# Altium PCB Room_Hub 20221215.PcbDoc (part 2 of 3) (continued)
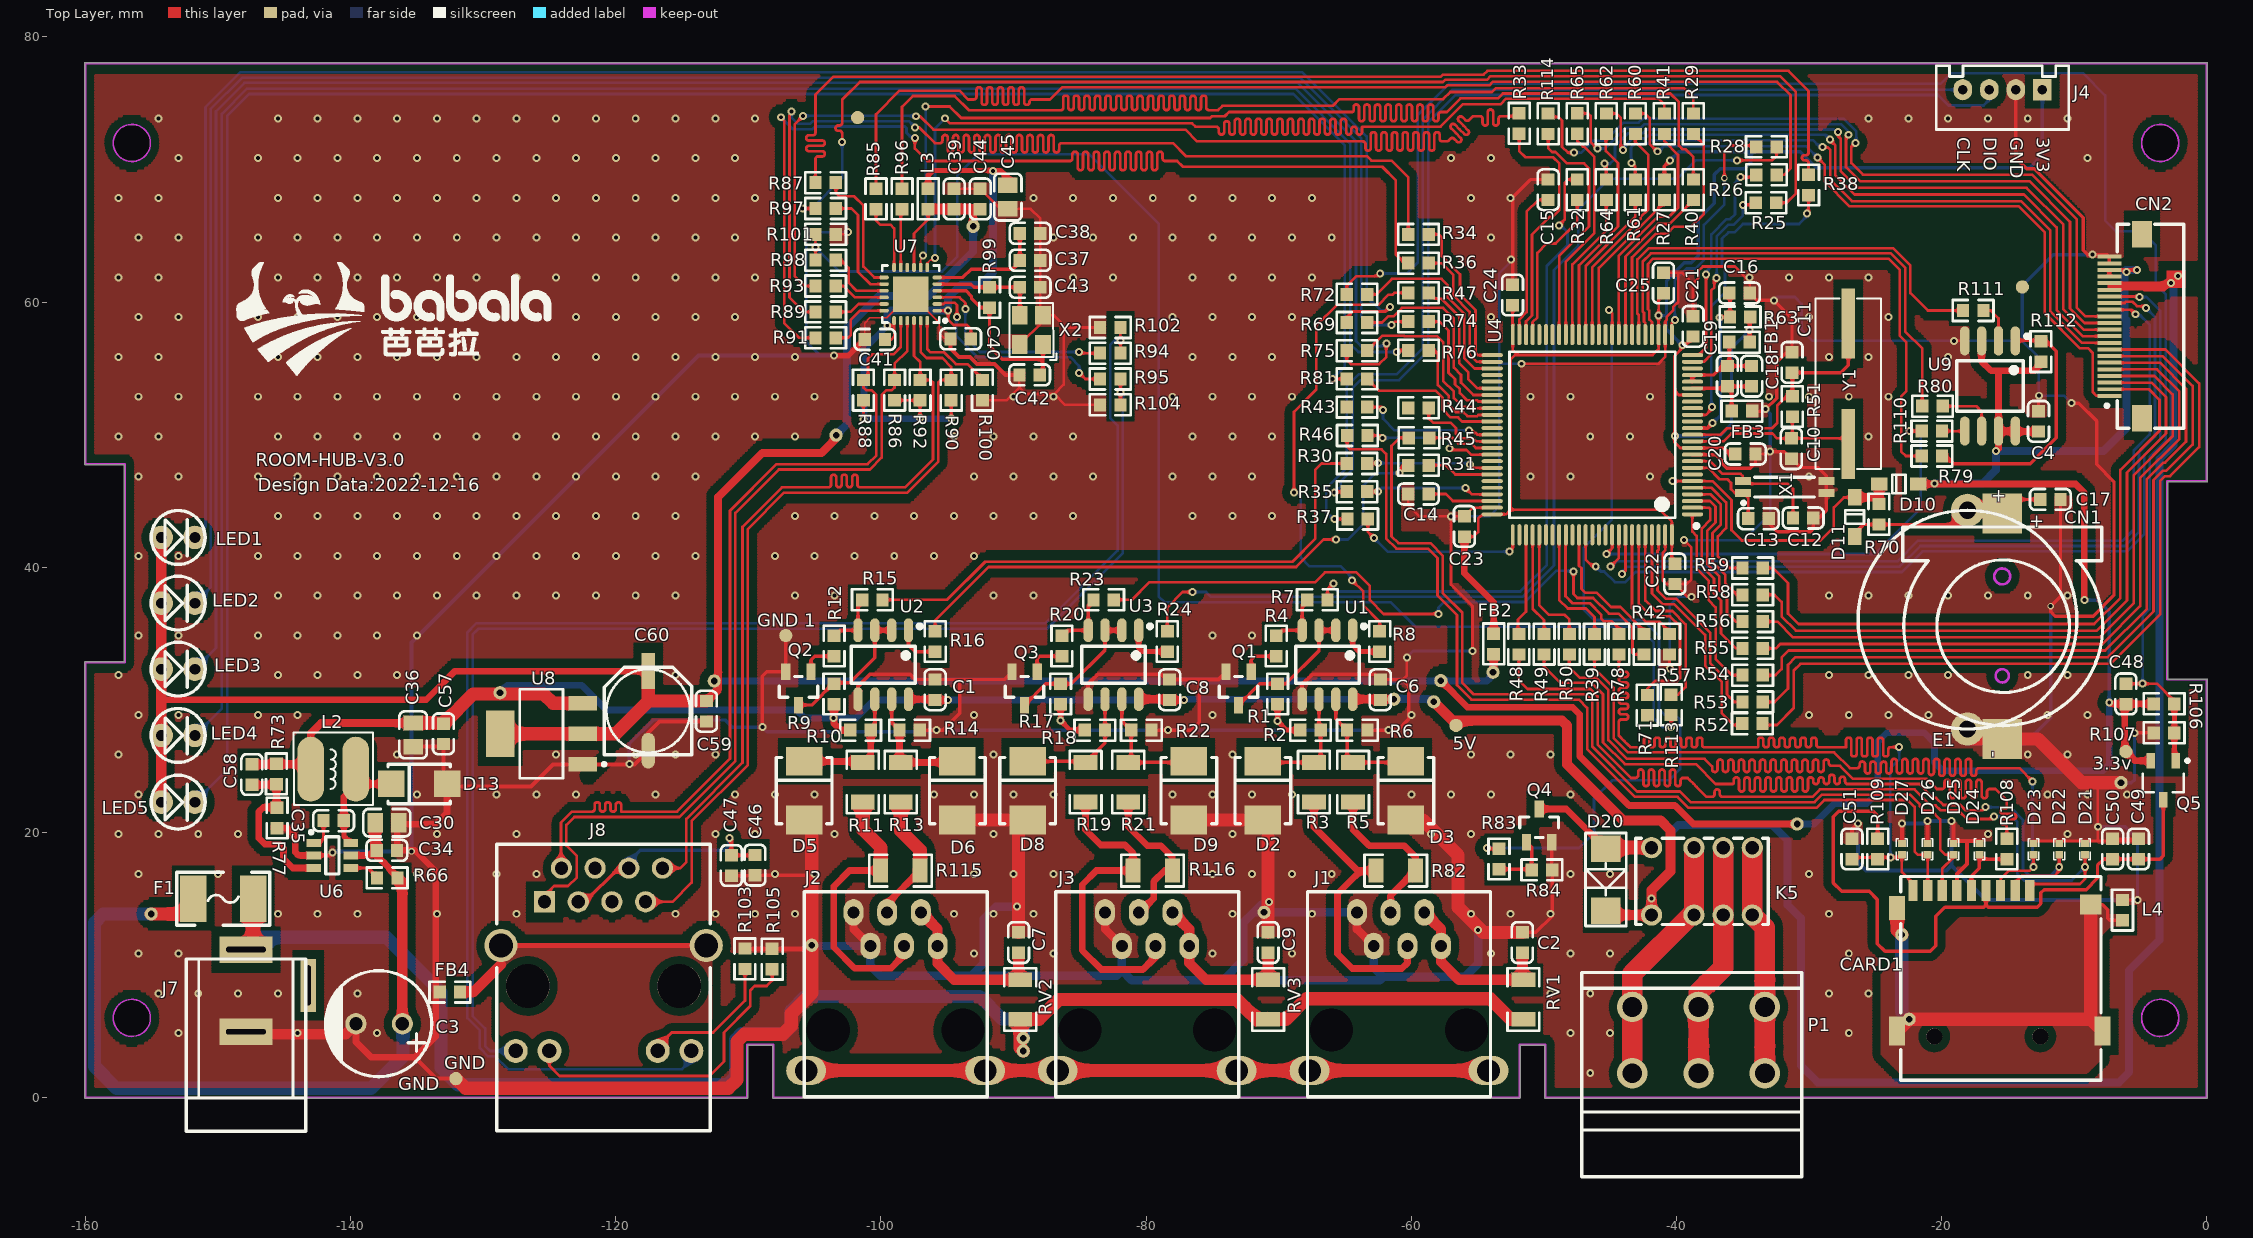
[diagram p0: Top Layer view]
## Nets (pads, with @x,y where several pads share a name; then routed paths per layer and width w, separated by ;. In a path a pad name is that pad's centre, name@x,y a point inside that pad or via, vN(x,y) a via of type N, cw(c..) or ccw(c..) an arc to the next point about the centre after c; other vN are vias at no path point) (continued)
HRXD1_485: R8.1 U1.1 | length 3.4
  Top Layer w0.381: U1.1@-64.41,35.242 -64.41,34.109 -63.925,33.624 R8.1@-62.378,33.624
HRXD3_485: R16.1 U2.1 | length 3.3
  Top Layer w0.254: U2.1@-97.914,35.242 -97.914,34.126 -97.413,33.624 R16.1@-95.908,33.624
HRXD4_485: R24.1 U3.1 | length 3.6
  Top Layer w0.381: U3.1@-80.549,35.242 -80.549,33.906 -80.268,33.624 R24.1@-78.39,33.624
HTXD1_485: R4.1 R7.1 U1.4 | length 4.6
  Top Layer w0.254: R4.1@-70.175,34.826 -69.76,35.242 U1.4@-68.22,35.242 -68.22,37.165 R7.1@-67.847,37.538
HTXD3_485: R12.1 R15.1 U2.4 | length 4.4
  Top Layer w0.254: R12.1@-103.528,34.826 -103.112,35.242 U2.4@-101.724,35.242 -101.724,37.23 R15.1@-101.41,37.544
HTXD4_485: R20.1 R23.1 U3.4 | length 4.6
  Top Layer w0.254: R20.1@-86.34,34.826 -85.924,35.242 U3.4@-84.359,35.242 -84.359,37.146 R23.1@-83.96,37.544
KEY_ENTER: CN2.15 U4.93 | length 64.2
  Top Layer w0.2: v1(-44.094,39.472) -43.836,39.73 U4.93@-43.836,42.443 ; CN2.15@-7.331,59.923 -6.178,59.923 -6.078,60.023 -5.58,60.023 -5.254,59.696 -4.705,59.696 v1(-4.572,59.563)
  Bottom Layer w0.2: v1(-44.094,39.472) -44.094,39.624 -43.682,40.037 -23.152,40.037 -21.59,41.599 -6.153,41.599 -5.093,42.659 -5.093,48.642 -3.889,49.846 -3.889,58.88 v1(-4.572,59.563)
KEY_LEFT: CN2.16 U4.87 | length 67.8
  Top Layer w0.2: U4.87@-46.836,42.443 -46.836,40.587 -46.304,40.056 v1(-46.076,40.056) ; CN2.16@-7.331,60.423 -5.102,60.423 v1(-5.055,60.376)
  Bottom Layer w0.2: v1(-46.076,40.056) -45.695,39.675 -45.441,39.675 -44.637,38.872 -43.846,38.872 -43.081,39.637 -22.986,39.637 -21.424,41.199 -5.987,41.199 -4.693,42.493 -4.693,48.476 -3.489,49.68 -3.489,59.329 -4.536,60.376 v1(-5.055,60.376)
KEY_MENU: CN2.14 U4.92 | length 63
  Top Layer w0.2: v1(-44.958,40.056) -44.336,40.678 U4.92@-44.336,42.443 ; CN2.14@-7.331,59.423 -5.702,59.423 v1(-5.359,59.08)
  Bottom Layer w0.2: v1(-44.958,40.056) -44.907,40.056 -44.526,40.437 -23.317,40.437 -21.755,41.999 -6.318,41.999 -5.493,42.824 -5.493,48.808 -4.289,50.011 -4.289,58.29 -5.08,59.08 v1(-5.359,59.08) v1@-5.182,58.903
LCD_CS: CN2.9 R61.1 | length 50.1
  Top Layer w0.2: v1(-43.383,70.485) -43.091,70.193 R61.1@-43.091,69.243 ; v1(-28.981,71.704) -28.94,71.663 -28.559,71.663 -28.397,71.501 -28.397,69.257 -26.755,67.615 -13.995,67.615 -11.804,65.424 -11.804,59.321 -9.407,56.923 CN2.9@-7.331,56.923
  Bottom Layer w0.2: v1(-43.383,70.485) -43.383,70.841 -43.418,70.876 -43.418,71.644 -43.129,71.933 -42.187,71.933 -41.907,72.212 -29.693,72.212 -29.261,71.781 -29.058,71.781 v1@-28.991,71.714
LCD_D/C: CN2.10 R62.1 | length 52.3
  Top Layer w0.2: R62.1@-45.281,74.221 -44.503,74.221 -44.196,73.914 -44.196,71.653 v1(-44.018,71.476) ; v1(-28.391,72.263) -28.391,72.196 -27.997,71.802 -27.997,69.564 -26.548,68.115 -13.788,68.115 -11.304,65.631 -11.304,59.386 -9.341,57.423 CN2.10@-7.331,57.423
  Bottom Layer w0.2: v1(-44.018,71.476) -44.018,71.609 -43.295,72.333 -42.353,72.333 -42.073,72.612 -28.74,72.612 v1(-28.391,72.263)
LCD_DATA0: CN2.8 R52.1 | length 61.8
  Top Layer w0.2: R52.1@-33.469,28.092 -32.41,28.092 -31.14,29.362 -31.14,32.207 -30.635,32.712 -7.241,32.712 -3.505,36.448 -3.505,46.509 -3.151,46.863 -2.742,46.863 -0.556,49.049 -0.556,53.871 -3.108,56.423 CN2.8@-7.331,56.423
LCD_DATA1: CN2.7 R53.1 | length 58.9
  Top Layer w0.2: R53.1@-33.467,29.833 -32.575,29.833 -31.572,30.836 -31.572,32.639 -30.999,33.212 -7.448,33.212 -4.005,36.655 -4.005,46.575 -3.316,47.263 -3.049,47.263 -1.056,49.256 -1.056,53.664 -3.315,55.923 CN2.7@-7.331,55.923
LCD_DATA2: CN2.6 R54.1 | length 56
  Top Layer w0.2: R54.1@-33.467,31.854 -32.51,31.854 -32.055,32.309 -32.055,33.198 -31.54,33.712 -7.655,33.712 -4.505,36.862 -4.505,46.64 -3.258,47.887 -3.132,47.887 -1.556,49.464 -1.556,53.457 -3.522,55.423 CN2.6@-7.331,55.423
LCD_DATA3: CN2.5 R55.1 | length 53.2
  Top Layer w0.2: R55.1@-33.467,33.875 -32.495,33.875 -32.158,34.212 -7.862,34.212 -5.005,37.069 -5.005,46.721 -2.056,49.671 -2.056,53.25 -3.729,54.923 CN2.5@-7.331,54.923
LCD_DATA4: CN2.4 R56.1 | length 51.8
  Top Layer w0.2: R56.1@-33.467,35.896 -32.366,35.896 -31.182,34.712 -8.069,34.712 -5.505,37.277 -5.505,46.929 -2.556,49.878 -2.556,53.043 -3.936,54.423 CN2.4@-7.331,54.423
LCD_DATA5: CN2.3 R58.1 | length 51.5
  Top Layer w0.2: R58.1@-33.467,37.917 -32.583,37.917 -32.055,37.389 -32.055,36.297 -30.971,35.212 -8.276,35.212 -6.005,37.484 -6.005,47.136 -3.056,50.085 -3.056,52.836 -4.143,53.923 CN2.3@-7.331,53.923
LCD_DATA6: CN2.2 R59.1 | length 51.1
  Top Layer w0.2: R59.1@-33.467,39.939 -32.7,39.939 -31.572,38.811 -31.572,36.5 -30.785,35.712 -8.484,35.712 -6.505,37.691 -6.505,47.343 -3.556,50.292 -3.556,52.629 -4.35,53.423 CN2.2@-7.331,53.423
LCD_DATA7: CN2.1 R60.1 | length 52.1
  Top Layer w0.2: R60.1@-43.091,74.221 -42.344,74.221 -42.012,73.889 -42.012,71.907 -41.478,71.374 v1(-41.402,71.374) ; v1(-29.337,70.917) -29.337,70.891 -28.797,70.351 -28.797,69.091 -26.921,67.215 -14.161,67.215 -12.204,65.258 -12.204,59.155 -9.573,56.523 -8.949,56.523 -8.585,56.159 -8.585,53.203 -8.305,52.923 CN2.1@-7.331,52.923
  Bottom Layer w0.2: v1(-41.402,71.374) -41.315,71.374 -40.934,71.755 -30.201,71.755 -29.362,70.917 v1(-29.337,70.917)
LCD_RD: CN2.12 R65.1 | length 54.8
  Top Layer w0.2: R65.1@-47.47,74.229 -46.645,74.229 -46.457,74.041 -46.457,72.085 v1(-45.949,71.577) ; v1(-27.013,72.62) -27.084,72.549 -27.197,72.549 -27.197,70.178 -26.134,69.115 -13.374,69.115 -10.304,66.045 -10.304,59.518 -9.21,58.423 CN2.12@-7.331,58.423
  Bottom Layer w0.2: v1(-45.949,71.577) -45.371,71.577 -43.816,73.133 -42.684,73.133 -42.395,73.422 -27.564,73.422 -27.076,72.934 v1@-27.076,72.873
LCD_RST: CN2.13 R114.1 | length 57.8
  Top Layer w0.127: R114.1@-49.66,74.221 R114.1@-49.583,74.221
  Top Layer w0.2: R114.1@-49.583,74.221 -49.327,73.965 -48.895,73.965 -48.616,73.685 -48.616,71.704 -48.184,71.272 v1(-47.727,71.272) ; v1(-26.492,72.009) -26.797,71.704 -26.797,70.485 -25.927,69.615 -13.167,69.615 -9.804,66.252 -9.804,59.583 -9.144,58.923 CN2.13@-7.331,58.923
  Bottom Layer w0.2: v1(-47.727,71.272) -47.168,71.272 -46.263,72.177 -45.337,72.177 -43.981,73.533 -42.85,73.533 -42.561,73.822 -27.367,73.822 -26.413,72.868 -26.413,72.114 v1@-26.492,72.034
LCD_WR: CN2.11 R64.1 | length 52.4
  Top Layer w0.2: v1(-45.415,70.434) -45.281,70.3 R64.1@-45.281,69.243 ; v1(-27.813,72.822) -27.813,72.534 -27.597,72.318 -27.597,69.871 -26.341,68.615 -13.581,68.615 -10.804,65.838 -10.804,59.452 -9.275,57.923 CN2.11@-7.331,57.923
  Bottom Layer w0.2: v1(-45.415,70.434) -44.983,70.434 -44.618,70.799 -44.618,71.765 -43.65,72.733 -42.518,72.733 -42.239,73.012 -28.105,73.012 v1@-27.965,72.873
LED_BLUETOOTH: R81.1 U4.61 | length 11.3
  Top Layer w0.2: R81.1@-63.317,54.203 -62.429,53.315 -58.166,53.315 -57.607,52.756 -57.607,51.892 -57.023,51.308 -56.464,51.308 -56.149,50.993 U4.61@-53.886,50.993
LED_COMMS: R76.1 U4.60 | length 8.7
  Top Layer w0.2: R76.1@-58.677,56.357 -58.262,56.357 -57.988,56.083 -57.988,53.746 -57.175,52.934 -57.175,52.222 -57.156,52.222 -56.642,51.708 -56.077,51.708 -55.762,51.393 -55.021,51.393 -54.921,51.493 U4.60@-53.886,51.493
LED_DEVICE: R74.1 U4.58 | length 9.6
  Top Layer w0.2: R74.1@-58.677,58.524 -57.861,58.524 -57.182,57.845 -57.182,54.667 -56.693,54.178 -56.693,53.797 -56.331,53.435 -56.331,53.13 -55.793,52.593 -55.021,52.593 -54.921,52.493 U4.58@-53.886,52.493
LED_GREEN: J8.9 R95.2 R104.1 | length 99.6
  Top Layer w0.127: R104.1@-81.927,52.252 R104.1@-81.927,52.451
  Top Layer w0.2: R104.1@-81.927,52.451 v1(-81.927,53.162) R95.2@-81.927,54.195
  Bottom Layer w0.2: J8.9@-127.54,3.511 -129.464,3.511 -129.845,3.892 -129.845,5.214 -130.785,6.155 -130.785,34.924 -130.353,35.357 -87.463,35.357 -81.744,41.076 -81.744,52.979 v1(-81.927,53.162)
LED_LIGHT: R75.1 U4.59 | length 14.2
  Top Layer w0.2: R75.1@-63.317,56.329 -62.175,57.471 -60.544,57.471 -60.503,57.429 -58.039,57.429 -57.582,56.972 -57.582,54.051 -56.775,53.245 -56.775,52.762 -56.121,52.108 -55.385,52.108 -55.269,51.993 U4.59@-53.886,51.993
LED_POWER: U4.62
LED_SENSOR: R69.1 U4.57 | length 15.1
  Top Layer w0.2: R69.1@-63.317,58.455 -62.21,58.455 -61.737,58.928 -61.341,58.928 -60.706,59.563 -57.582,59.563 -56.782,58.763 -56.782,55.055 -56.236,54.508 -56.236,53.924 -55.304,52.993 U4.57@-53.886,52.993
LED_YELLOW: J8.12 R94.2 R102.1 | length 119.5
  Top Layer w0.127: R94.2@-81.927,56.139 v1(-81.927,57.099) R102.1@-81.927,58.082
  Bottom Layer w0.127: J8.12@-114.29,2.829 J8.12@-114.29,3.511
  Bottom Layer w0.2: J8.12@-114.29,2.829 -114.986,2.134 -128.118,2.134 -129.089,3.105 -129.624,3.105 -130.251,3.732 -130.251,5.055 -131.191,5.995 -131.191,35.092 -130.521,35.763 -124.841,35.763 -87.631,35.763 -82.144,41.25 -82.144,50.698 -82.702,51.257 -82.702,56.769 -82.372,57.099 v1(-81.927,57.099)
LEDK_G: J8.10 R105.1 | length 24.5
  Top Layer w0.127: R105.1@-108.194,9.667 R105.1@-107.908,9.381
  Top Layer w0.2: J8.10@-125,3.511 -125,2.395 -124.231,1.626 -112.928,1.626 -111.836,2.718 -111.836,4.902 -109.852,6.887 -109.852,8.081 -109.525,8.407 -108.61,8.407 -108.194,8.824 R105.1@-108.194,9.667
LEDK_Y: J8.11 R103.1 | length 10.7
  Top Layer w0.2: J8.11@-116.83,3.511 -116.83,3.845 -115.773,4.902 -112.649,4.902 -110.252,7.3 R103.1@-110.252,9.693
LIN1_485A: J1.4 R3.1 R82.2 | length 22.1
  Top Layer w0.5: R3.1@-67.331,22.296 -67.331,20.391 -64.059,17.12 -63.805,17.12 ; R82.2@-62.653,17.12 -63.805,17.12 ; J1.4@-60.28,11.427 -60.28,10.155 -60.706,9.728 -64.44,9.728 -65.557,10.846 -65.557,15.367 -63.805,17.12
LIN1_485B: J1.3 R5.1 R82.1 | length 12.6
  Top Layer w0.5: R5.1@-64.384,22.296 -64.384,20.214 -63.17,18.999 -60.528,18.999 -59.673,18.144 R82.1@-59.673,17.12 -61.55,15.243 J1.3@-61.55,13.967
LINK_LED: R94.1 U7.3 | length 15.5
  Top Layer w0.2: U7.3@-95.751,60.354 -94.059,60.354 -93.624,59.919 v1(-93.624,59.461) ; v1(-85.065,56.236) -84.968,56.139 R94.1@-83.467,56.139
  Bottom Layer w0.2: v1(-93.624,59.461) -93.624,57.328 -92.532,56.236 v1(-85.065,56.236)
NET_CT: C46.1 C47.1 J8.3 J8.6 | length 17.1
  Top Layer w0.254: J8.3@-122.825,14.761 -122.319,14.761 -119.779,17.301 J8.6@-119.015,17.301 ; v1(-111.43,19.558) -111.277,19.406 C47.1@-111.277,18.271 -109.525,18.271 C46.1@-109.499,18.296
  Bottom Layer w0.254: J8.6@-119.015,17.301 -118.872,17.444 -118.872,17.932 -118.161,18.644 -111.811,18.644 -111.43,19.025 v1(-111.43,19.558)
NetC12_1: C12.1 U4.9 X1.4 | length 11.3
  Top Layer w0.2: U4.9@-38.786,47.993 -37.452,47.993 -36.505,47.046 -35.514,47.046 -35.158,47.046 -34.976,46.863 X1.4@-34.976,46.493 ; X1.4@-35.458,46.29 -31.583,46.29 -31.199,45.906 C12.1@-31.199,43.713
NetC13_1: C13.1 U4.8 X1.1 | length 6.7
  Top Layer w0.2: U4.8@-38.786,47.493 -37.587,47.493 -36.728,46.634 -36.144,46.634 -35.876,46.366 -35.876,45.883 -35.585,45.593 X1.1@-34.976,45.593 ; X1.1@-34.798,45.441 -34.577,45.22 C13.1@-34.577,43.663
NetC14_1: C14.1 U4.73 | length 5
  Top Layer w0.2: C14.1@-58.677,45.519 -57.381,45.519 -56.855,44.993 U4.73@-53.886,44.993
NetC15_1: C15.1 U4.49 | length 11.5
  Top Layer w0.2: U4.49@-51.836,57.543 -51.836,58.68 -51.283,59.233 -51.283,66.827 -50.407,67.703 C15.1@-49.66,67.703
NetC17_2: C17.2 CN1.1 D11.1 E1.1 R70.2 | length 15.3
  Top Layer w0.254: D11.1@-26.543,42.315 -26.543,42.545 -25.865,43.223 R70.2@-24.714,43.223 -18.183,43.223 -18.11,43.15 -16.149,45.11 C17.2@-12.556,45.11
NetC35_1: C35.1 U6.1 | length 2.2
  Top Layer w0.254: U6.1@-142.776,19.213 -142.331,19.213 -142.045,19.499 C35.1@-142.045,20.879
NetC35_2: C35.2 D13.2 L2.2 U6.6 | length 7.7
  Top Layer w0.381: C35.2@-140.505,20.879 -140.505,19.702 -140.132,19.329 -140.093,19.329 U6.6@-139.976,19.213
  Top Layer w0.5: C35.2@-140.505,20.879 -140.505,22.665 -139.522,23.647 D13.2@-136.923,23.647
NetC42_2: C42.2 R99.1 U7.4 X2.1 | length 14.3
  Top Layer w0.254: U7.4@-95.751,60.854 -93.569,60.854 -93.167,60.452 -93.167,60.274 -92.47,59.577 R99.1@-91.801,59.577 -91.801,56.647 -90.83,55.677 -87.775,55.677 ; C42.2@-88.008,54.505 -87.775,54.739 -87.775,55.677 ; X2.1@-87.775,56.799 -87.775,55.677
NetC43_2: C43.2 R99.2 U7.5 X2.3 | length 8.5
  Top Layer w0.254: U7.5@-95.751,61.354 -93.205,61.354 -92.969,61.117 R99.2@-91.801,61.117 C43.2@-89.512,61.117 -89.512,59.012 X2.3@-89.525,58.999
NetC58_1: C58.1 R73.1 R77.1 U6.3 | length 12.6
  Top Layer w0.5: C58.1@-147.447,23.589 -145.644,23.589 R73.1@-145.593,23.639 -145.593,21.903 -145.585,21.895 -146.583,21.895 -146.914,21.565 -146.914,19.558 -146.456,19.101 -145.364,19.101 -145.059,18.796 -145.059,18.009 -144.363,17.313 U6.3@-142.776,17.313
NetCARD1_5: CARD1.5 D24.2 R108.1 | length 5.5
  Top Layer w0.254: CARD1.5@-17.738,15.605 -17.738,16.679 -17.141,17.276 D24.2@-17.141,18.108 ; R108.1@-15.064,17.975 -16.812,17.975 ; D24.2@-17.141,18.108 D24.2@-17.141,18.304 -16.812,17.975 ; D24.2@-17.141,18.108 -17.009,17.975 -16.812,17.975
NetD20_A: D20.A K5.8 Q4.3 | length 10.2
  Top Layer w0.254: D20.A@-45.664,18.434 D20.A@-45.319,18.78
  Top Layer w0.508: Q4.3@-50.342,21.762 -48.301,21.762 D20.A@-45.319,18.78
  Top Layer w1.016: D20.A@-45.319,18.78 -45.256,18.843 K5.8@-41.865,18.843
NetLED1_K: LED1.K R69.2 | length 141.9
  Top Layer w0.2: R69.2@-64.857,58.455 -64.857,58.841 -64.414,59.284 -61.951,59.284 v1(-61.595,59.639)
  Bottom Layer w0.2: LED1.K@-151.737,42.243 -150.948,43.032 -150.948,74.714 -148.33,77.332 -68.205,77.332 -63.358,72.485 -63.358,60.361 -63.043,60.046 -62.967,60.046 -62.306,59.385 -61.849,59.385 v1(-61.595,59.639)
NetLED2_K: LED2.K R74.2 | length 144.8
  Top Layer w0.2: v1(-61.468,58.268) -61.211,58.524 R74.2@-60.217,58.524
  Bottom Layer w0.2: LED2.K@-151.737,37.29 -150.548,38.479 -150.548,74.548 -148.164,76.932 -68.371,76.932 -63.758,72.32 -63.758,58.881 -63.144,58.268 v1(-61.468,58.268)
NetLED3_K: LED3.K R75.2 | length 154.1
  Top Layer w0.2: R75.2@-64.857,56.329 -64.857,55.637 -64.541,55.321 -62.408,55.321 -61.874,55.855 v1(-61.874,56.871)
  Bottom Layer w0.2: LED3.K@-151.737,32.312 -150.148,33.901 -150.148,74.383 -147.998,76.532 -68.537,76.532 -64.158,72.154 -64.158,57.046 -63.779,56.667 -62.078,56.667 v1(-61.874,56.871)
NetLED4_K: LED4.K R76.2 | length 155.1
  Top Layer w0.2: v1(-61.087,56.236) -60.966,56.357 R76.2@-60.217,56.357
  Bottom Layer w0.2: LED4.K@-151.737,27.308 -149.708,29.337 -149.708,74.2 -147.816,76.092 -68.719,76.092 -64.599,71.971 -64.599,56.852 -63.983,56.236 v1(-61.087,56.236)
NetLED5_K: LED5.K R81.2 | length 158.4
  Top Layer w0.2: v1(-65.938,54.204) v1(-65.938,54.204) R81.2@-64.857,54.203
  Bottom Layer w0.2: LED5.K@-151.737,22.279 -149.308,24.708 -149.308,74.035 -147.65,75.692 -68.885,75.692 -64.999,71.806 -64.999,55.143 v1(-65.938,54.204)
NetQ1_1: Q1.1 R4.2 | length 2.9
  Top Layer w0.254: Q1.1@-72.07,32.102 -72.07,33.001 -71.785,33.286 R4.2@-70.175,33.286
NetQ1_3: Q1.3 R1.1 U1.2 U1.3 | length 10.6
  Top Layer w0.254: Q1.3@-73.02,29.602 -71.419,31.204 R1.1@-70.074,31.204 -69.448,31.204 -66.95,33.702 U1.3@-66.95,35.242
  Top Layer w0.381: U1.3@-66.95,35.242 U1.2@-65.68,35.242
NetQ2_1: Q2.1 R12.2 | length 2.9
  Top Layer w0.254: Q2.1@-105.268,32.102 -105.268,33.012 -104.993,33.286 R12.2@-103.528,33.286 R12.2@-103.655,33.159
NetQ2_3: Q2.3 R9.1 U2.2 U2.3 | length 10.6
  Top Layer w0.254: Q2.3@-106.218,29.602 -105.223,29.602 -103.536,31.289 -102.342,31.289 -100.454,33.177 U2.3@-100.454,35.242
  Top Layer w0.381: U2.3@-100.454,35.242 U2.2@-99.184,35.242
NetQ3_1: Q3.1 R20.2 | length 2.9
  Top Layer w0.254: Q3.1@-88.209,32.102 -88.209,33.078 -88.001,33.286 R20.2@-86.34,33.286
NetQ3_3: Q3.3 R17.1 U3.2 U3.3 | length 10.5
  Top Layer w0.254: Q3.3@-89.159,29.602 -87.558,31.204 R17.1@-86.442,31.204 -85.638,31.204 -83.089,33.753 U3.3@-83.089,35.242
  Top Layer w0.381: U3.3@-83.089,35.242 U3.2@-81.819,35.242
NetQ4_1: Q4.1 R83.1 R84.2 | length 4.7
  Top Layer w0.254: R83.1@-53.371,17.218 -50.958,17.218 R84.2@-50.907,17.167 -50.907,18.877 Q4.1@-51.292,19.262
NetR25_2: R25.2 U4.24 | length 14.9
  Top Layer w0.2: U4.24@-38.786,55.493 -37.928,55.493 -37.354,56.067 -37.354,60.893 -37.135,61.112 v1@-37.135,61.62 ; v1(-34.976,67.335) -34.16,67.335 R25.2@-34.005,67.49
  Bottom Layer w0.2: v1(-36.957,61.798) -36.957,64.948 -36.068,65.837 -35.662,65.837 -34.976,66.523 v1(-34.976,67.335)
NetR26_2: R26.2 U4.25 | length 16.6
  Top Layer w0.2: U4.25@-38.786,55.993 -38.317,55.993 -37.754,56.556 -37.754,62.068 v1(-37.744,62.078) ; v1(-35.154,69.418) -34.143,69.418 R26.2@-33.963,69.599
  Bottom Layer w0.2: v1(-37.744,62.078) -37.744,62.306 -37.357,62.694 -37.357,65.113 -36.214,66.256 -35.941,66.256 -35.576,66.622 -35.576,68.996 v1(-35.154,69.418)
NetR28_2: R28.2 U4.26 | length 18.5
  Top Layer w0.2: U4.26@-40.336,57.543 -40.336,58.419 v1(-40.107,58.649) ; v2(-36.373,69.342) -36.373,71.374 -35.941,71.806 -34.065,71.806 R28.2@-33.974,71.714
  Bottom Layer w0.2: v1(-40.107,58.649) -40.107,61.646 -39.218,62.535 -38.557,62.535 -37.922,63.17 -37.922,65.811 -36.373,67.361 v2(-36.373,69.342)
NetR29_2: R29.2 U4.32 | length 19
  Top Layer w0.2: U4.32@-43.336,57.543 -43.336,63.372 -41.557,65.151 -40.696,65.151 -40.162,65.684 -38.878,65.684 -37.922,66.64 -37.922,71.891 R29.2@-38.712,72.681
NetR30_1: R30.1 U4.68 | length 9.6
  Top Layer w0.2: R30.1@-63.317,47.823 -62.514,47.823 v1(-62.484,47.854) ; v1(-55.55,47.752) -55.29,47.493 U4.68@-53.886,47.493
  Bottom Layer w0.2: v1(-62.484,47.854) -55.651,47.854 v1(-55.55,47.752)
NetR31_1: R31.1 U4.69 | length 5.1
  Top Layer w0.2: R31.1@-58.677,47.687 -57.364,47.687 -56.67,46.993 U4.69@-53.886,46.993
NetR32_1: R32.1 U4.47 | length 12
  Top Layer w0.2: U4.47@-50.836,57.543 -50.836,58.479 -50.483,58.832 -50.483,63.716 -49.784,64.414 -49.098,64.414 -47.47,66.042 R32.1@-47.47,67.703
NetR33_1: R33.1 U4.48 | length 18.8
  Top Layer w0.2: R33.1@-51.847,72.705 -51.847,71.411 -51.359,70.923 -49.282,70.923 -48.819,70.46 -48.819,66.954 -49.352,66.421 -49.555,66.421 -50.883,65.094 -50.883,58.998 -51.336,58.545 U4.48@-51.336,57.543
NetR34_1: R34.1 U4.51 | length 12.2
  Top Layer w0.2: R34.1@-58.677,65.103 -57.915,65.103 -57.683,64.872 -57.683,63.456 -56.312,62.084 -56.312,60.556 -55.143,59.387 -55.143,56.185 -54.951,55.993 U4.51@-53.886,55.993
NetR35_2: R35.2 U4.72 | length 9.7
  Top Layer w0.2: R35.2@-63.317,45.697 v1(-62.512,45.697) ; v1(-55.905,45.974) -55.424,45.493 U4.72@-53.886,45.493
  Bottom Layer w0.2: v1(-62.512,45.697) -62.235,45.974 v1(-55.905,45.974)
NetR36_1: R36.1 U4.52 | length 10.7
  Top Layer w0.2: R36.1@-58.677,62.935 -57.728,62.935 -56.82,62.027 -56.82,60.498 -55.582,59.26 -55.582,56.039 -55.036,55.493 U4.52@-53.886,55.493
NetR37_2: R37.2 U4.76 | length 13.6
  Top Layer w0.2: R37.2@-63.263,43.637 -63.263,42.664 v1(-62.814,42.215) ; v1(-52.578,41.173) -52.336,41.416 U4.76@-52.336,42.443
  Bottom Layer w0.2: v1(-62.814,42.215) -61.773,41.173 v1(-52.578,41.173)
NetR38_2: R38.2 U4.16 | length 23.8
  Top Layer w0.2: U4.16@-38.786,51.493 -37.763,51.493 -37.313,51.943 v1(-37.313,52.095) ; v1(-30.124,66.675) -30.023,66.777 R38.2@-30.023,68.064
  Bottom Layer w0.2: v1(-37.313,52.095) -37.354,52.137 -37.354,59.7 -36.322,60.731 -36.322,62.586 -36.557,62.821 -36.557,64.782 -36.077,65.262 -35.602,65.262 -34.976,65.888 -30.734,65.888 -30.124,66.497 v1(-30.124,66.675)
NetR39_1: R39.1 U4.83 | length 9.4
  Top Layer w0.2: U4.83@-48.836,42.443 -48.836,37.541 -48.175,36.881 -46.812,36.881 -46.169,36.237 R39.1@-46.169,34.961
NetR40_2: R40.2 U4.33 | length 12.8
  Top Layer w0.2: U4.33@-43.836,57.543 -43.836,63.438 -41.386,65.888 -40.525,65.888 -38.712,67.7 R40.2@-38.712,67.703
NetR41_2: R41.2 U4.34 | length 17.9
  Top Layer w0.2: U4.34@-44.336,57.543 -44.336,63.504 -41.393,66.446 -40.532,66.446 -39.868,67.11 -39.868,71.11 -40.902,72.144 R41.2@-40.902,72.681
NetR42_1: R42.1 U4.86 | length 10.4
  Top Layer w0.2: U4.86@-47.336,42.443 -47.336,40.107 -47.152,39.923 -47.152,38.364 -46.869,38.081 -46.006,38.081 -44.92,36.995 -44.209,36.995 -42.419,35.206 R42.1@-42.419,34.961
NetR43_2: R43.2 U4.63 | length 10.7
  Top Layer w0.2: R43.2@-63.317,52.076 -62.338,52.076 v1(-62.128,51.867) ; v1(-55.626,50.317) -55.397,50.317 -55.204,50.124 -55.121,50.124 -54.99,49.993 U4.63@-53.886,49.993
  Bottom Layer w0.2: v1(-62.128,51.867) -62.128,51.206 -61.239,50.317 v1(-55.626,50.317)
NetR44_2: R44.2 U4.64 | length 6.6
  Top Layer w0.2: R44.2@-58.677,52.022 -58.677,51.235 -58.344,50.902 -57.023,50.902 -56.617,50.495 -56.617,50.063 -56.277,49.724 -55.286,49.724 -55.056,49.493 U4.64@-53.886,49.493
NetR45_2: R45.2 U4.65 | length 5.1
  Top Layer w0.2: R45.2@-58.641,49.759 -56.877,49.759 -56.442,49.324 -55.452,49.324 -55.121,48.993 U4.65@-53.886,48.993
NetR46_2: R46.2 U4.66 | length 10.3
  Top Layer w0.2: R46.2@-63.289,49.936 -62.357,49.936 v1(-62.154,49.733) ; v1(-57.099,48.971) -56.972,48.844 -55.829,48.844 -55.478,48.493 U4.66@-53.886,48.493
  Bottom Layer w0.2: v1(-62.154,49.733) -62.128,49.759 -57.404,49.759 -57.099,49.454 v1(-57.099,48.971)
NetR47_1: R47.1 U4.56 | length 10.1
  Top Layer w0.2: R47.1@-58.677,60.692 -58.234,60.249 -57.702,60.249 -56.382,58.929 -56.382,55.391 -55.702,54.712 -55.702,54.204 -54.991,53.493 U4.56@-53.886,53.493
NetR48_2: R48.2 U4.78 | length 7.8
  Top Layer w0.2: R48.2@-51.875,34.961 -51.943,35.029 -51.943,36.043 -51.336,36.65 U4.78@-51.336,42.443
NetR49_2: R49.2 U4.79 | length 7.8
  Top Layer w0.2: U4.79@-50.836,42.443 -50.836,36.866 -49.973,36.003 R49.2@-49.973,34.961
NetR50_2: R50.2 U4.80 | length 9.1
  Top Layer w0.2: U4.80@-50.336,42.443 -50.336,37.128 -49.632,36.424 -48.452,36.424 -48.071,36.043 R50.2@-48.071,34.961
NetR52_2: R52.2 U4.97 | length 18.1
  Top Layer w0.2: U4.97@-41.836,42.443 -41.836,38.026 -41.027,37.217 -40.164,37.217 -37.827,34.88 -37.827,32.588 -36.57,31.33 -36.57,28.975 -35.687,28.092 R52.2@-35.009,28.092
NetR53_2: R53.2 U4.98 | length 16.1
  Top Layer w0.2: U4.98@-41.336,42.443 -41.336,41.334 -41.421,41.248 -41.421,38.252 -40.786,37.617 -39.998,37.617 -37.427,35.046 -37.427,32.753 -36.17,31.496 -36.17,30.378 -35.624,29.833 R53.2@-35.007,29.833
NetR54_2: R54.2 U4.1 | length 14.2
  Top Layer w0.2: U4.1@-38.786,43.993 -38.786,42.685 -38.468,42.367 -38.468,39.895 -37.56,38.987 -37.56,37.509 -37.027,36.976 -37.027,33.064 -35.816,31.854 R54.2@-35.007,31.854
NetR55_2: R55.2 U4.2 | length 13.7
  Top Layer w0.2: U4.2@-38.786,44.493 -37.532,44.493 -37.44,44.401 -37.44,43.561 -38.068,42.933 -38.068,40.061 -37.16,39.153 -37.16,38.024 -36.627,37.49 -36.627,35.001 -35.501,33.875 R55.2@-35.007,33.875
NetR56_2: R56.2 U4.3 | length 12.3
  Top Layer w0.2: U4.3@-38.786,44.993 -37.466,44.993 -37.04,44.566 -37.04,43.377 -37.668,42.748 -37.668,40.227 -36.754,39.312 -36.754,38.227 -36.17,37.643 -36.17,36.551 -35.515,35.896 R56.2@-35.007,35.896
NetR58_2: R58.2 U4.4 | length 10.7
  Top Layer w0.2: U4.4@-38.786,45.493 -37.4,45.493 -36.64,44.732 -36.64,43.211 -37.268,42.583 -37.268,40.392 -36.297,39.421 -36.297,38.786 -35.428,37.917 R58.2@-35.007,37.917
NetR59_2: R59.2 U4.5 | length 9.6
  Top Layer w0.2: U4.5@-38.786,45.993 -37.335,45.993 -36.24,44.898 -36.24,42.958 -36.868,42.329 -36.868,40.805 -36.002,39.939 R59.2@-35.007,39.939
NetR60_2: R60.2 U4.38 | length 17.3
  Top Layer w0.2: U4.38@-46.336,57.543 -46.336,62.635 -42.691,66.279 -42.691,66.402 -42.113,66.98 -42.113,71.095 -43.091,72.073 R60.2@-43.091,72.681
NetR61_2: R61.2 U4.39 | length 11.7
  Top Layer w0.2: U4.39@-46.836,57.543 -46.836,62.701 -43.091,66.445 R61.2@-43.091,67.703
NetR62_2: R62.2 U4.40 | length 16.7
  Top Layer w0.2: U4.40@-47.336,57.543 -47.336,62.766 -44.399,65.703 -44.399,70.485 -45.314,71.399 -45.314,72.649 R62.2@-45.281,72.681
NetR64_2: R64.2 U4.41 | length 11.2
  Top Layer w0.2: U4.41@-47.836,57.543 -47.836,62.832 -45.281,65.387 R64.2@-45.281,67.703
NetR65_2: R65.2 U4.42 | length 16.6
  Top Layer w0.2: U4.42@-48.336,57.543 -48.336,63.043 -46.184,65.195 -46.184,70.93 -46.976,71.723 -47.034,71.723 -47.47,72.159 R65.2@-47.47,72.689
NetR66_2: R66.2 U6.4 | length 2.3
  Top Layer w0.254: U6.4@-139.976,17.313 -138.682,17.313 R66.2@-138.006,16.637
NetR71_1: R71.1 U4.95 | length 16.2
  Top Layer w0.2: U4.95@-42.836,42.443 -42.836,37.273 -41.859,36.297 -40.466,36.297 -39.72,35.55 -39.72,31.629 -39.929,31.42 -41.605,31.42 -42.189,30.836 R71.1@-42.189,30.361
NetR72_1: R72.1 U4.53 | length 15.4
  Top Layer w0.2: R72.1@-63.187,60.452 R72.1@-63.317,60.582 -62.608,60.582 -61.443,61.747 -57.709,61.747 -57.226,61.265 -57.226,60.339 -55.982,59.094 -55.982,55.753 -55.221,54.993 U4.53@-53.886,54.993
NetR78_1: R78.1 U4.84 | length 10.3
  Top Layer w0.2: U4.84@-48.336,42.443 -48.352,42.427 -48.352,37.821 -47.812,37.281 -46.526,37.281 -45.669,36.424 -45.669,36.144 -45.441,35.916 -44.856,35.916 -44.329,35.388 R78.1@-44.329,34.961
NetR79_2: R79.2 U4.29 | length 40.7
  Top Layer w0.2: U4.29@-41.836,57.543 -41.836,58.487 -42.036,58.687 -42.036,59.35 -42.136,59.45 -42.136,62.875 -41.74,63.271 -23.978,63.271 -23.139,62.433 -23.139,57.455 -22.657,56.972 -22.657,53.264 -23.038,52.883 -23.038,48.743 -22.682,48.387 R79.2@-21.496,48.387
NetR80_2: R80.2 U4.30 | length 37.1
  Top Layer w0.2: U4.30@-42.336,57.543 -42.336,58.422 -42.436,58.522 -42.436,59.184 -42.536,59.284 -42.536,63.041 -41.905,63.671 -23.812,63.671 -22.739,62.599 -22.739,57.791 -21.446,56.498 R80.2@-21.446,52.146
NetR85_2: R85.2 U7.12 | length 5.4
  Top Layer w0.2: R85.2@-100.367,67.009 -100.367,66.153 -100.051,65.837 -99.289,65.837 -99.001,65.549 U7.12@-99.001,62.604
NetR87_2: R87.2 U7.13 | length 9.7
  Top Layer w0.203: R87.2@-103.393,69.008 -103.393,68.239 -103.124,67.97 -102.006,67.97 -101.321,67.285 -101.321,62.687 -100.487,61.854 U7.13@-99.751,61.854
NetR89_2: R89.2 U7.17 | length 3.9
  Top Layer w0.2: R89.2@-103.393,59.257 -102.287,59.257 -101.69,59.854 U7.17@-99.751,59.854
NetR91_2: R91.2 U7.18 | length 5.2
  Top Layer w0.2: R91.2@-103.393,57.307 -102.484,57.307 -102.26,57.531 -102.26,58.674 -101.581,59.354 U7.18@-99.751,59.354